# KiCad board jetson-nano-baseboard.kicad_pcb (continued)
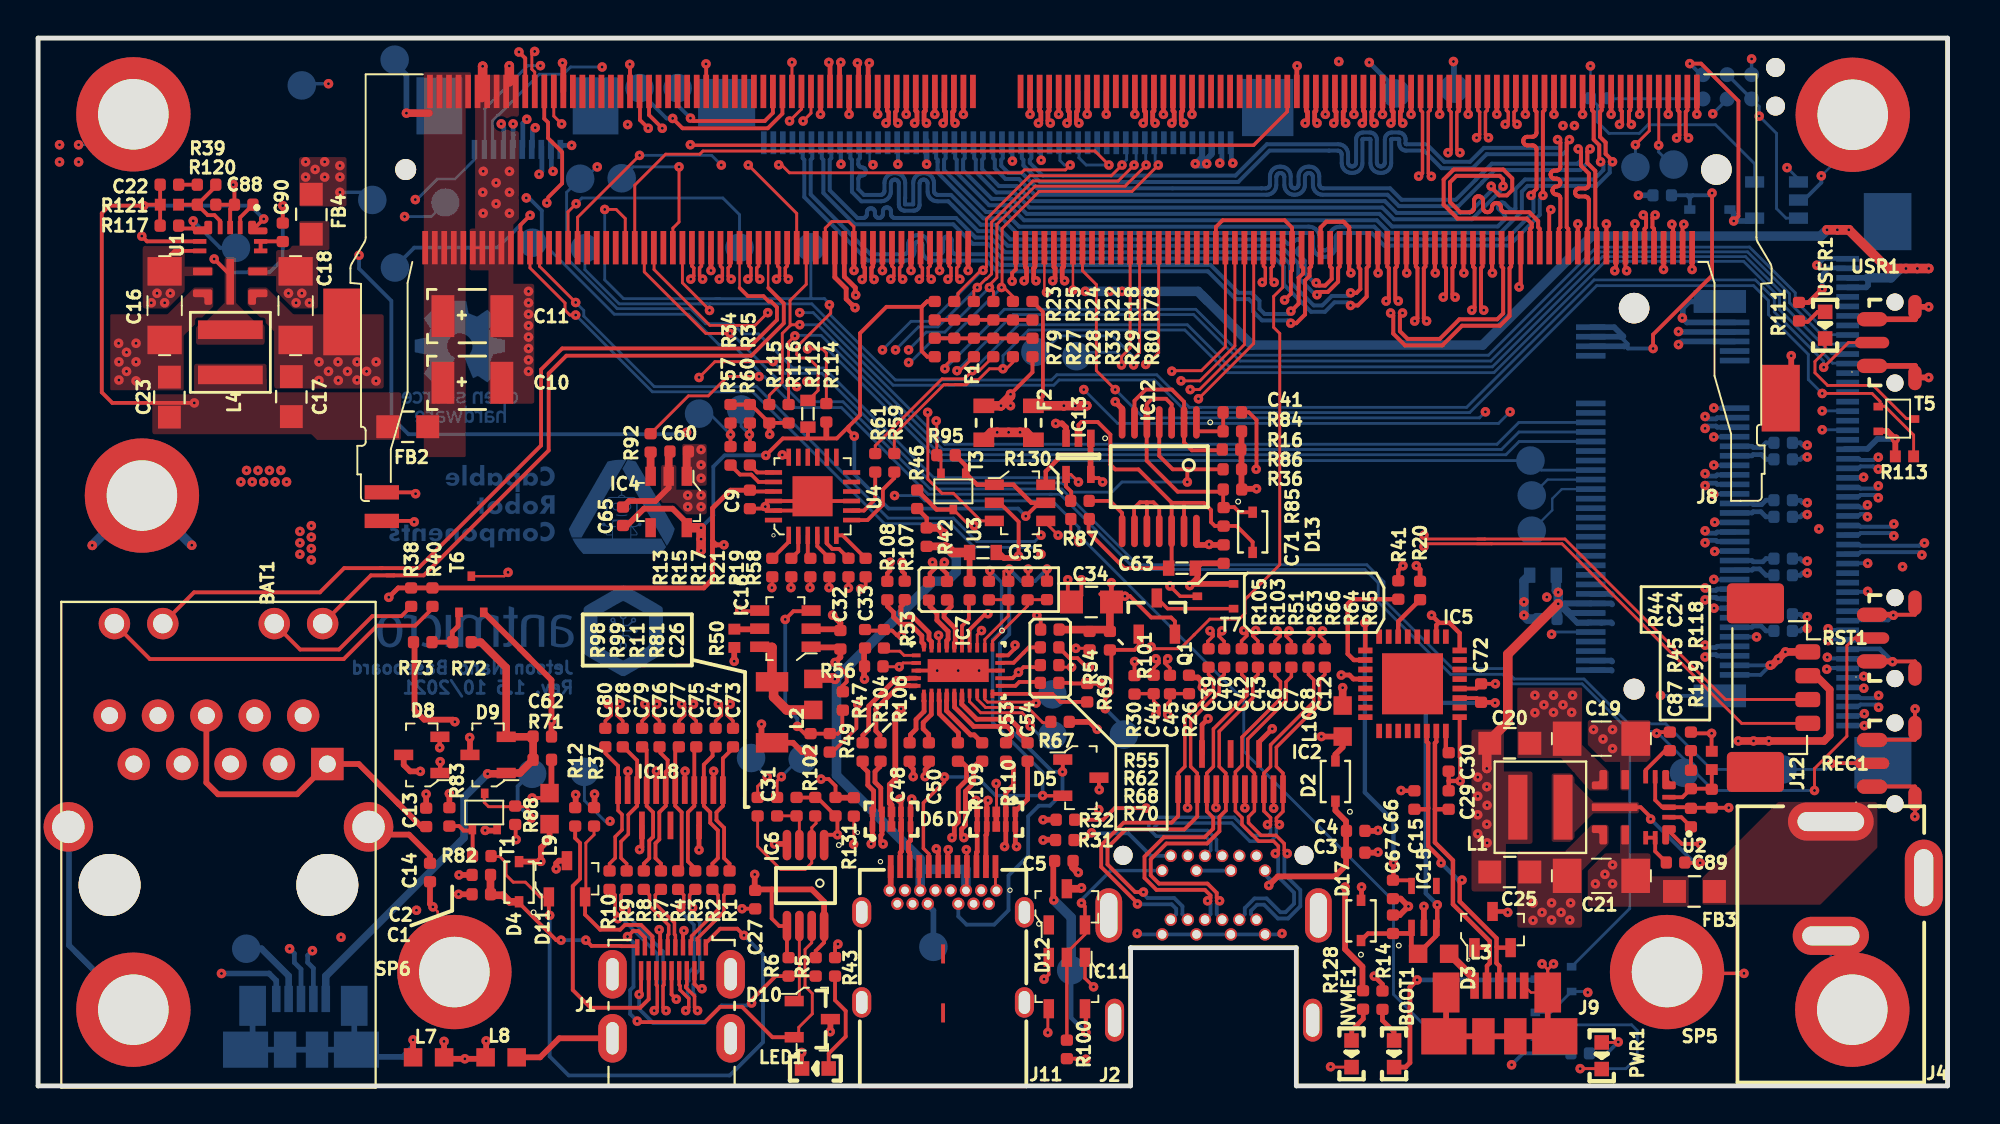
[diagram p0: board, top side]
## Routing (per net, layer and track width the routed paths; a pad name or vN(x,y) marks a point on that pad's centre or on a via; arc(x,y) is an arc through that point) (continued)
  Bottom w0.25: v1(92.86,24.63) 92.62,24.63 92.5,24.75 92.08,24.75
PCIE1_CLK_N: length 28.2
  Top w0.25: M1.173 42.07,53.66 v1(42.13,53.73)
  In5_3V3_SYS_SIGNAL.Cu w0.195: v1(42.13,53.73) 41.98,53.57 41.98,53.1 41.47,52.6 36.84,52.6 36.73,52.61 36.63,52.65 36.53,52.71 36.46,52.78 36.4,52.88 36.36,52.98 36.35,53.09 36.35,53.34 36.35,53.38 36.33,53.42 36.31,53.46 36.28,53.49 36.24,53.51 36.2,53.53 36.16,53.53 36.11,53.53 36.07,53.51 36.04,53.49 36,53.46 35.98,53.42 35.97,53.38 35.96,53.34 35.96,53.09 35.95,52.98 35.91,52.88 35.86,52.78 35.78,52.71 35.69,52.65 35.58,52.61 35.48,52.6 22.8,52.6 22.5,52.3 22.5,51.88 22.84,51.54 24.4,51.54 24.78,51.16 24.78,50.74 ; 24.78,50.65 v1(24.93,50.5)
  Bottom w0.25: 24.94,49.28 24.94,49.92 24.93,49.92 v1(24.93,50.5)
PCIE1_CLK_P: length 28.3
  Top w0.25: M1.175 41.57,53.66 v1(41.51,53.73)
  In5_3V3_SYS_SIGNAL.Cu w0.195: v1(41.51,53.73) 41.66,53.57 41.66,53.24 41.34,52.92 38.02,52.92 36.87,52.92 36.82,52.93 36.78,52.94 36.75,52.96 36.71,52.99 36.69,53.03 36.68,53.07 36.67,53.12 36.67,53.36 36.66,53.47 36.62,53.58 36.57,53.67 36.49,53.74 36.4,53.8 36.29,53.84 36.19,53.85 36.13,53.85 36.02,53.84 35.92,53.8 35.82,53.74 35.75,53.67 35.69,53.58 35.65,53.47 35.64,53.36 35.64,53.12 35.64,53.07 35.62,53.03 35.6,52.99 35.57,52.96 35.53,52.94 35.49,52.93 35.45,52.92 32.36,52.92 26.04,52.92 22.67,52.92 22.18,52.43 22.18,51.75 22.71,51.22 24.27,51.22 24.46,51.02 24.46,50.65 v1(24.31,50.5)
  Bottom w0.25: v1(24.31,50.5) 24.43,50.37 24.43,50.29 24.44,50.28 24.44,49.28
PCIE1_CLKREQ: length 24.5
  Top w0.152: M1.182 39.82,45.8 v1(37.28,48.34)
  In2_SINGAL.Cu w0.15: v1(29.6,53.48) 30.95,52.14 v1(30.95,50.46)
  In5_3V3_SYS_SIGNAL.Cu w0.25: v1(37.28,48.34) 36.73,48.89 32.52,48.89 31.66,49.75
  In5_3V3_SYS_SIGNAL.Cu w0.254: v1(30.95,50.46) 31.66,49.75
  Bottom w0.152: 23.94,49.28 23.86,49.37 23.86,50.69 24.12,50.95 24.16,50.95 26.31,53.1 27.57,53.1 27.95,53.48 v1(29.6,53.48)
PCIE1_RST: length 21.1
  Top w0.152: M1.183 39.57,53.73 v1(39.57,53.73)
  In2_SINGAL.Cu w0.152: v1(39.57,53.73) 35.61,53.73 35.19,54.15 26.86,54.15 26.27,53.56
  Bottom w0.152: v1(26.37,53.55) 25.7,53.55 23.44,51.29 23.44,49.28
PCIE1_RX0_N: length 28.5
  Top w0.25: M1.167 43.57,53.63 v1(43.63,53.7)
  In5_3V3_SYS_SIGNAL.Cu w0.195: v1(27.03,48.01) 26.9,48.14 26.9,48.49 27.45,49.05 27.45,49.85 27.01,50.3 27.01,50.98 27.56,51.53 28.13,51.53 28.17,51.53 28.21,51.51 28.25,51.49 28.28,51.46 28.3,51.42 28.32,51.38 28.32,51.34 28.32,50.86 28.33,50.75 28.37,50.65 28.43,50.55 28.5,50.48 28.6,50.42 28.7,50.38 28.81,50.37 28.87,50.37 28.97,50.38 29.08,50.42 29.17,50.48 29.25,50.55 29.3,50.65 29.34,50.75 29.35,50.86 29.35,51.34 29.36,51.38 29.37,51.42 29.39,51.46 29.43,51.49 29.46,51.51 29.5,51.53 29.55,51.53 30.34,51.53 30.39,51.52 30.43,51.51 30.48,51.48 30.51,51.45 30.54,51.4 30.56,51.36 30.56,51.31 30.56,51.28 30.57,51.23 30.58,51.18 30.61,51.14 30.65,51.1 30.69,51.08 30.74,51.06 30.79,51.06 30.84,51.06 30.88,51.08 30.93,51.1 30.96,51.14 30.99,51.18 31.01,51.23 31.01,51.28 31.01,51.31 31.02,51.36 31.03,51.4 31.06,51.45 31.1,51.48 31.14,51.51 31.19,51.52 31.24,51.53 35.46,51.53 35.5,51.53 35.54,51.51 35.58,51.49 35.61,51.46 35.63,51.42 35.65,51.38 35.65,51.34 35.65,50.89 35.66,50.78 35.7,50.68 35.76,50.58 35.83,50.51 35.93,50.45 36.03,50.41 36.14,50.4 36.2,50.4 36.3,50.41 36.41,50.45 36.5,50.51 36.58,50.58 36.63,50.68 36.67,50.78 36.68,50.89 36.68,51.34 36.69,51.38 36.7,51.42 36.72,51.46 36.75,51.49 36.79,51.51 36.83,51.53 36.88,51.53 42.29,51.53 43.48,52.72 43.48,53.54 v1(43.63,53.7)
  Bottom w0.25: v1(27.03,48.01) 26.94,48.1 26.94,49.28
PCIE1_RX0_P: length 28.5
  Top w0.25: M1.169 43.07,53.63 v1(43.01,53.7)
  In2_SINGAL.Cu w0.185: v1(43.01,53.7) 43.15,53.7 43.16,53.71
  In5_3V3_SYS_SIGNAL.Cu w0.195: v1(43.01,53.7) 43.16,53.54 43.16,52.86 42.15,51.85 36.85,51.85 36.74,51.84 36.64,51.8 36.54,51.74 36.47,51.67 36.41,51.58 36.37,51.47 36.36,51.37 36.36,50.92 36.36,50.87 36.34,50.83 36.32,50.79 36.29,50.76 36.25,50.74 36.21,50.73 36.17,50.72 36.12,50.73 36.08,50.74 36.04,50.76 36.01,50.79 35.99,50.83 35.98,50.87 35.97,50.92 35.97,51.37 35.96,51.47 35.92,51.58 35.87,51.67 35.79,51.74 35.7,51.8 35.59,51.84 35.49,51.85 29.52,51.85 29.41,51.84 29.31,51.8 29.21,51.74 29.14,51.67 29.08,51.58 29.04,51.47 29.03,51.37 29.03,50.89 29.03,50.84 29.01,50.8 28.99,50.76 28.96,50.73 28.92,50.71 28.88,50.7 28.84,50.69 28.79,50.7 28.75,50.71 28.72,50.73 28.68,50.76 28.66,50.8 28.65,50.84 28.64,50.89 28.64,51.37 28.63,51.47 28.59,51.58 28.54,51.67 28.46,51.74 28.37,51.8 28.26,51.84 28.16,51.85 27.43,51.85 26.69,51.11 26.69,50.17 27.13,49.72 27.13,49.18 26.56,48.6 26.56,48.11 v1(26.3,47.85)
  Bottom w0.25: v1(26.3,47.85) 26.44,48 26.44,49.28
PCIE1_TX0_N: length 28.8
  Top w0.25: v1(42.92,41.51) 42.9,41.54 42.9,41.9 42.32,42.48 M1.172
  In5_3V3_SYS_SIGNAL.Cu w0.195: v1(26.09,50.3) 25.59,49.79 25.59,47.89 26.33,47.14 26.39,47.14 27.37,47.14 27.42,47.15 27.46,47.16 27.5,47.19 27.53,47.22 27.55,47.26 27.57,47.3 27.57,47.34 27.57,47.71 27.58,47.75 27.59,47.79 27.62,47.83 27.65,47.86 27.69,47.89 27.73,47.9 27.77,47.91 27.82,47.9 27.86,47.89 27.9,47.86 27.93,47.83 27.95,47.79 27.97,47.75 27.97,47.71 27.97,47.34 27.98,47.3 27.99,47.26 28.02,47.22 28.05,47.19 28.09,47.16 28.13,47.15 28.17,47.14 28.22,47.15 28.26,47.16 28.3,47.19 28.33,47.22 28.35,47.26 28.37,47.3 28.37,47.34 28.37,47.71 28.38,47.75 28.39,47.79 28.42,47.83 28.45,47.86 28.49,47.89 28.53,47.9 28.57,47.91 28.62,47.9 28.66,47.89 28.7,47.86 28.73,47.83 28.75,47.79 28.77,47.75 28.77,47.71 28.77,47.34 28.78,47.3 28.79,47.26 28.82,47.22 28.85,47.19 28.89,47.16 28.93,47.15 28.97,47.14 36.6,47.14 41.78,41.96 42.47,41.96 v1(42.92,41.51)
  Bottom w0.25: 25.94,49.28 25.94,50.14 v1(26.09,50.3)
PCIE1_TX0_P: length 28.8
  Top w0.25: v1(42.88,40.85) 42.72,41.01 42.71,41.01 42.42,41.31 42.42,41.85 41.82,42.45 M1.174
  In5_3V3_SYS_SIGNAL.Cu w0.195: v1(25.65,50.74) 25.65,50.55 25.27,50.16 25.27,47.76 26.2,46.82 26.52,46.82 26.52,46.82 36.47,46.82 41.65,41.64 42.09,41.64 v1(42.88,40.85)
  Bottom w0.25: 25.44,49.28 25.44,50.53 v1(25.65,50.74)
PEX_L0_CLKREQ_N: length 54.2
  Top w0.15: 39.47,39.9 39.06,39.5 39.06,36.93 38.38,36.25 38.38,35.76 ; 39.47,39.9 39.52,39.95 v1(39.98,39.95) ; 39.47,39.9 39.47,41.22 40.32,42.07 40.32,44
  Bottom w0.15: J8.52 77.73,34.32 76.81,33.41 47.48,33.41 40.93,39.95 v1(39.98,39.95)
PEX_L0_RST_N: length 64.2
  Top w0.15: 39.39,35.76 39.39,39.04 v1(39.72,39.37) ; v1(39.44,50.65) 40.07,51.27 40.07,52.2
  In2_SINGAL.Cu w0.15: v1(39.72,39.37) 39.75,39.4 40.38,39.4 40.43,39.44 40.43,40.88 40.18,41.12 40.18,49.83 40.68,50.33 40.68,50.73 40.6,50.81 40.6,50.83 40.31,51.13 39.85,51.13 39.44,50.72 v1(39.44,50.65)
  Bottom w0.15: v1(39.72,39.37) 39.75,39.4 41.1,39.4 47.36,33.13 77.04,33.13 77.74,33.82 J8.50
PWR_EN: length 50.7
  Top w0.15: IC13.4 54.21,32.1 v1(54.61,31.7) ; M1.237 26.07,53.22 25.92,53.37 25.92,54.15 v1(26.06,54.3)
  Top w0.2: IC13.4 53.96,31.46 54.23,31.19 54.23,30.73 54.2,30.71
  In3_SIGNAL.Cu w0.15: v1(29.35,48.24) 29.35,51.4 28.52,52.23 26.37,52.23 25.92,52.68 25.92,54.15 v1(26.06,54.3)
  Bottom w0.15: v1(54.61,31.7) 54.38,31.93 47.01,31.93 41.26,37.68 39.61,37.68 37.82,39.47 37,39.47 36.47,40.01 35.04,40.01 34.25,40.8 30.39,40.8 27.74,43.45 27.74,46.91 TP27.1 28.7,47.62 29.34,48.26
PWR_GOOD: length 106.8
  Top w0.15: 54.2,29.69 54.2,28.98 v1(54.63,28.55)
  Top w0.2: 8.54,45.01 U1.5 8.14,45.01 ; R117.2 7.53,45.01 8.14,45.01 ; 8.14,45.01 v1(8.14,45.41)
  In5_3V3_SYS_SIGNAL.Cu w0.18: v1(8.14,45.41) 9.64,45.41 11.45,43.6 11.85,43.6 ; 11.6,43.6 11.85,43.6 ; 11.85,43.6 v1(16.85,43.6)
  In5_3V3_SYS_SIGNAL.Cu w0.2: 35.84,35.31 34.14,35.31 34.04,35.21 v1(34.04,34.31) ; 35.84,35.31 34.24,35.31 ; 35.84,35.31 40.64,35.31 v1(44.96,30.99)
  Bottom w0.15: v1(44.96,30.99) 46.26,30.99 46.54,30.71 53.24,30.71 54.63,29.32 v1(54.63,28.55) 54.99,28.55 63.29,20.25 63.29,17.56 71.14,9.71 71.14,4.81 73.39,2.56 T4.1
  Bottom w0.2: v1(8.14,45.41) 9.55,43.99 TP40.1 ; v1(16.85,43.6) 16.85,42.9 18.54,41.21 18.54,35.11 19.44,34.21 33.94,34.21 v1(34.04,34.31)
TMDS_HPD: length 63.5
  Top w0.15: M1.96 63.32,38.91 60.96,36.55 v1(60.47,36.55) ; 23.42,15.3 23.42,14.88 23.64,14.66 25.58,14.66 25.88,14.35 v1(25.88,14.05)
  In3_SIGNAL.Cu w0.15: v1(25.88,14.05) 26.57,14.73 38.28,14.73 40.92,17.38 40.92,22.36 45.84,27.29 45.84,29.04 49.25,32.44 56.82,32.44 60.35,35.97 60.35,36.42 v1(60.47,36.55)
  Bottom w0.2: v1(25.88,14.05) 25.17,14.76 25.17,15.72 25.93,16.49
UART1_RX: length 55.6
  Top w0.15: M1.238 25.82,42.94 27.66,41.1 27.66,40.72 27.91,40.46 v1(28.22,40.46)
  Top w0.25: R20.2 72.54,27.11 v1(72.34,27.31)
  In5_3V3_SYS_SIGNAL.Cu w0.15: v1(72.34,27.31) 71.84,26.81 56.94,26.81 56.54,27.21 54.34,27.21 53.64,27.91 v1(52.64,27.91)
  Bottom w0.15: v1(28.22,40.46) 32.24,36.43 37.5,36.43 44.43,29.51 47.91,29.51 49.15,28.27 52.31,28.27 52.31,28.24 v1(52.64,27.91)
UART1_TX: length 54.3
  Top w0.15: v1(28.22,41.12) 26.32,43.02 M1.236
  Top w0.23: R41.2 71.4,27.06 v1(71.64,27.31)
  In5_3V3_SYS_SIGNAL.Cu w0.15: v1(52.64,28.91) 53.14,28.41 53.64,28.41 54.44,27.61 56.64,27.61 57.14,27.11 71.44,27.11 v1(71.64,27.31)
  Bottom w0.15: v1(28.22,41.12) 28.64,40.7 28.64,40.41 32.34,36.71 37.71,36.71 44.61,29.81 48.04,29.81 49.27,28.58 52.31,28.58 v1(52.64,28.91)
USB1_D_N: length 66.5
  Top w0.25: v1(58.63,50.54) 58.51,50.66 58.51,51.12 58.57,51.19 58.57,52.2 ; J11.A7 47.75,12.38 v1(47.77,12.4)
  In2_SINGAL.Cu w0.16: J11.B7 47.1,10.93 44.13,13.9 44.13,25.9 40.84,29.19 40.84,40.65 40.8,40.69 40.8,41.31 40.84,41.35 40.84,45.38 42.71,47.24 42.71,48.97 43.15,49.41 43.15,51.32 43.89,52.06 57.86,52.06 58.46,51.46 58.46,50.71 v1(58.63,50.54)
  In3_SIGNAL.Cu w0.2: J11.B7 47.1,10.97 47.77,11.64 47.77,12.39
USB1_D_P: length 66.1
  Top w0.25: v1(58.01,50.54) 58.13,50.66 58.13,51.12 58.07,51.19 58.07,52.2 ; v1(47.15,12.44) 47.25,12.34 J11.A6
  In2_SINGAL.Cu w0.16: J11.B6 47.9,10.53 44.42,14.02 44.42,26.02 41.13,29.31 41.13,40.76 41.08,40.81 41.08,41.19 41.13,41.24 41.13,45.26 43,47.13 43,48.86 43.43,49.29 43.43,51.2 44.01,51.77 57.74,51.77 58.18,51.34 58.18,50.71 v1(58.01,50.54)
  In2_SINGAL.Cu w0.2: 47.18,12.37 47.14,12.4 47.15,12.41 v1(47.15,12.44)
  In5_3V3_SYS_SIGNAL.Cu w0.175: v1(47.15,12.44) 47.15,11.83 47.9,11.07 J11.B6
USBC_VBUS: length 41.9
  Top w0.15: 42.82,14.16 42.82,12.7 v1(42.81,12.68)
  Top w0.18: J11.B4 48.75,10.31 J11.A9 48.75,12.37 v1(48.72,12.4) ; J11.A4 46.25,10.31 J11.B9
  Top w0.3: 47.6,28.4 v1(47.77,28.22) ; 48.78,28 48.89,27.89 48.89,26.48 48.87,26.51
  Top w0.4: v1(47.77,28.22) 47.67,28.32 R42.2
  Top w0.5: L2.2 40.74,21.41 41.76,21.41 41.83,21.34 ; v1(47.77,28.22) 47.99,28 48.78,28
  In3_SIGNAL.Cu w0.15: J11.B9 46.3,10.96 45.7,11.56 43.55,11.56 42.93,12.18 42.93,12.56 v1(42.81,12.68)
  Bottom w0.5: v1(47.77,28.22) 47.77,28.17 48.2,27.75 48.2,26.98 47.71,26.5 46.99,26.5 41.91,21.41 41.91,16.31 46.3,11.91 46.3,11.37 ; J11.B4 48.7,11.37 46.3,11.37 ; 46.3,11.37 J11.B9
  vias: v1(41.82,21.35)
USBSS_RX6_N: length 30.3
  Top w0.23: 44.57,26.48 44.57,26.91 44.72,27.05 44.72,27.38 ; 45.07,52.2 45.07,51.19 45,51.11 45,50.67 v1(45.13,50.54) ; 45.07,50.57 45.13,50.51
  In2_SINGAL.Cu w0.16: v1(45.13,50.54) 44.96,50.37 44.96,49.69 44.54,49.27 44.54,47.16 43.84,46.47 43.81,46.43 43.8,46.39 43.79,46.35 43.79,46.3 43.8,46.26 43.81,46.22 43.84,46.18 44.02,46.01 44.04,45.97 44.06,45.93 44.07,45.89 44.07,45.85 44.06,45.8 44.04,45.76 44.02,45.73 43.98,45.7 43.94,45.68 43.9,45.67 43.85,45.67 43.81,45.68 43.77,45.7 43.73,45.73 43.56,45.9 43.52,45.93 43.48,45.95 43.44,45.96 43.4,45.96 43.35,45.95 43.31,45.93 43.28,45.9 42.36,44.99 42.36,42.99 42.36,29.06 44.5,26.92 44.71,26.92 44.89,27.1 44.89,27.32 v1(44.72,27.49)
USBSS_RX6_P: length 30.3
  Top w0.23: v1(44.51,50.54) 44.64,50.67 44.64,51.11 44.57,51.19 44.57,52.2 ; 45.49,26.48 45.49,26.88 45.34,27.02 45.34,27.38 ; 44.51,50.51 44.57,50.57
  In2_SINGAL.Cu w0.16: v1(44.51,50.54) 44.68,50.37 44.68,49.81 44.25,49.39 44.25,47.34 42.08,45.16 42.08,28.94 44.38,26.64 44.83,26.64 45.17,26.98 45.17,27.32 v1(45.34,27.49)
USBSS_TX6_N: length 30
  Top w0.23: 46.81,26.48 46.81,26.91 47.08,27.18 47.08,27.39 46.98,27.49 v1(46.95,27.49) ; 43.82,44 43.82,43.01 43.75,42.94 43.75,42.47 v1(43.88,42.33)
  In2_SINGAL.Cu w0.16: v1(46.95,27.49) 47.09,27.34 47.09,26.95 46.89,26.75 46.44,26.75 46.28,26.91 46.28,28.12 45.91,28.48 45.02,28.48 43.71,29.8 43.71,31.97 43.72,32 43.73,32.03 43.75,32.07 43.77,32.09 43.8,32.11 43.84,32.12 43.87,32.13 44.15,32.13 44.18,32.13 44.22,32.14 44.25,32.16 44.27,32.19 44.29,32.22 44.3,32.25 44.31,32.29 44.3,32.32 44.29,32.35 44.27,32.39 44.25,32.41 44.22,32.43 44.18,32.44 44.15,32.45 43.87,32.45 43.84,32.45 43.8,32.46 43.77,32.48 43.75,32.51 43.73,32.54 43.72,32.57 43.71,32.61 43.71,38.19 43.7,38.29 43.67,38.38 43.61,38.47 43.55,38.54 43.46,38.59 43.37,38.62 43.27,38.63 43.1,38.63 43.06,38.64 43.02,38.65 42.99,38.67 42.96,38.7 42.94,38.74 42.92,38.78 42.92,38.82 42.92,38.92 42.92,38.96 42.94,39 42.96,39.03 42.99,39.06 43.02,39.08 43.06,39.09 43.1,39.1 45.07,39.1 45.17,39.11 45.28,39.15 45.37,39.21 45.45,39.28 45.51,39.38 45.54,39.48 45.55,39.59 45.55,39.65 45.54,39.75 45.51,39.86 45.45,39.95 45.37,40.03 45.28,40.09 45.17,40.12 45.07,40.13 43.94,40.13 43.89,40.14 43.84,40.16 43.8,40.18 43.76,40.22 43.73,40.27 43.72,40.31 43.71,40.37 43.72,40.42 43.73,40.47 43.76,40.51 43.8,40.55 43.84,40.58 43.89,40.59 43.94,40.6 45.07,40.6 45.17,40.61 45.28,40.65 45.37,40.71 45.45,40.78 45.51,40.88 45.54,40.98 45.55,41.09 45.55,41.15 45.54,41.25 45.51,41.36 45.45,41.45 45.37,41.53 45.28,41.59 45.17,41.62 45.07,41.63 43.94,41.63 43.89,41.64 43.84,41.66 43.8,41.68 43.76,41.72 43.73,41.77 43.72,41.81 43.71,41.87 43.71,42.16 v1(43.88,42.33)
USBSS_TX6_P: length 30
  Top w0.23: 47.71,26.48 47.71,26.88 47.44,27.15 47.44,27.39 47.53,27.49 v1(47.57,27.49) ; v1(43.26,42.33) 43.39,42.47 43.39,42.94 43.32,43.01 43.32,44
  In2_SINGAL.Cu w0.16: v1(43.26,42.33) 43.43,42.16 43.43,41.84 43.44,41.73 43.47,41.63 43.53,41.53 43.61,41.46 43.7,41.4 43.81,41.36 43.91,41.35 45.04,41.35 45.09,41.34 45.14,41.33 45.18,41.3 45.22,41.26 45.25,41.22 45.26,41.17 45.27,41.12 45.26,41.06 45.25,41.02 45.22,40.97 45.18,40.93 45.14,40.91 45.09,40.89 45.04,40.88 43.91,40.88 43.81,40.87 43.7,40.84 43.61,40.78 43.53,40.7 43.47,40.61 43.44,40.5 43.43,40.4 43.43,40.34 43.44,40.23 43.47,40.13 43.53,40.03 43.61,39.96 43.7,39.9 43.81,39.86 43.91,39.85 45.04,39.85 45.09,39.84 45.14,39.83 45.18,39.8 45.22,39.76 45.25,39.72 45.26,39.67 45.27,39.62 45.26,39.56 45.25,39.52 45.22,39.47 45.18,39.43 45.14,39.41 45.09,39.39 45.04,39.38 43.07,39.38 42.98,39.37 42.88,39.34 42.8,39.29 42.73,39.22 42.68,39.13 42.64,39.04 42.63,38.94 42.63,38.79 42.64,38.69 42.68,38.6 42.73,38.51 42.8,38.45 42.88,38.39 42.98,38.36 43.07,38.35 43.24,38.35 43.28,38.34 43.32,38.33 43.36,38.31 43.39,38.28 43.41,38.25 43.42,38.21 43.43,38.17 43.43,29.68 44.91,28.2 45.74,28.2 45.99,27.95 45.99,26.79 46.32,26.46 47.01,26.46 47.4,26.85 47.4,27.54
USR_BUTTON: length 91.8
  Top w0.15: v1(93.72,37.72) 95.02,39.02 USR1.2 ; v1(41.54,41) 41.6,41 41.6,41 41.6,40.56 39.82,38.79 39.82,38.39 40.01,38.21 40.44,38.21 40.94,37.71 40.94,36.51 40.42,35.98 R112.1 ; v1(29.74,46.01) 30.34,46.01 30.82,45.53 M1.218
  Bottom w0.15: 40.61,41.33 41.27,41.33 41.6,41 ; 40.61,41.33 40.56,41.38 40.56,44 ; 40.61,41.33 35.76,41.33 ; 41.6,41 41.6,41 v1(41.54,41) ; 41.6,41 41.6,40.45 45,37.05 53.2,37.05 53.47,37.33 58.72,37.33 60.43,35.62 61.03,35.62 74.99,35.62 81.67,42.31 90.14,42.31 91.13,41.32 91.13,40.63 93.72,38.04 v1(93.72,37.72) ; 35.58,41.33 35.76,41.33 ; 35.76,41.33 30.72,41.33 29.74,42.31 v1(29.74,46.01)
USR_LED: length 87.4
  Top w0.15: R113.1 98.45,34.17 96.93,35.68 96.68,35.68 96.68,35.93 96.26,36.35 v1(93.65,36.35) ; 33.79,44.03 M1.206 33.82,42.16 35.24,40.73 v1(35.24,40.71)
  Bottom w0.15: 35.29,41.05 35.1,41.05 ; 35.29,41.05 40.61,41.05 44.88,36.78 53.31,36.78 53.59,37.05 58.59,37.05 60.3,35.34 75.14,35.34 81.81,42.01 90.04,42.01 90.83,41.22 90.83,40.49 92.92,38.4 92.92,37.08 v1(93.65,36.35) ; 35.29,41.05 35.24,41.01 v1(35.24,40.71) ; 35.1,41.05 30.5,41.05 28.7,42.85 TP35.1 ; 35.1,41.05 34.66,41.05
VSYNC_CAM1_1: length 31.1
  Top w0.15: v1(54.18,48.34) 53.92,48.08 51.77,48.08 51.61,47.93 39.43,47.93 39.01,48.35 ; M1.228 28.32,45.59 v1(31.57,48.84)
  In2_SINGAL.Cu w0.15: v1(35.86,48.34) 36.64,48.34 37.09,47.89 38.41,47.89 v1(38.87,48.35)
  Bottom w0.15: v1(35.86,48.34) 35.35,48.84 v1(31.57,48.84) ; v1(54.18,48.34) 53.87,48.34 53.63,48.57 53.63,49.42
VSYNC_CAM1_2: length 31.7
  Top w0.15: v1(56.21,48.34) 55.47,49.07 34.9,49.07 34.73,48.91 32.94,48.91 31.32,47.28 M1.216
  Bottom w0.15: 54.63,49.42 54.63,48.72 54.63,48.72 55.01,48.34 v1(56.21,48.34)
VSYNC_CAM2_1: length 52.9
  Top w0.15: M1.114 58.82,38.48 58.19,37.85 58.16,37.87 v1(58.14,37.87)
  In2_SINGAL.Cu w0.125: 55.57,37.54 55.57,37.55 56.41,38.39 57.62,38.39 v1(58.14,37.87)
  In2_SINGAL.Cu w0.15: v1(93.65,34.44) 91.87,36.22 78.1,36.22 v1(77.26,35.38) ; v1(54.89,36.55) 54.89,36.86 55.57,37.54
  Bottom w0.15: v1(54.89,36.55) 56.66,34.77 76.65,34.77 v1(77.26,35.38) ; 94.84,34.44 94.84,34.44 v1(93.65,34.44)
VSYNC_CAM2_2: length 48.2
  Top w0.15: v1(56.54,36.55) 55.55,37.54 55.55,42.06 54.82,42.79 M1.130
  In2_SINGAL.Cu w0.15: v1(75.97,35.38) 77.14,36.55 92.53,36.55 v1(93.65,35.43)
  Bottom w0.15: 94.84,35.44 94.84,35.43 v1(93.65,35.43) ; v1(75.97,35.38) 75.65,35.07 58.02,35.07 56.54,36.55 v1(56.54,36.55)
Net-(BOOT1-PadA): length 1.9
  Top w0.25: 70.57,4.02 70.57,3.44 71.17,2.84 71.17,2.39 BOOT1.A
Net-(BOOT1-PadK): length 11.5
  Top w0.25: BOOT1.K 71.77,0.99 72.01,1.22 72.01,5.18 v1(72.39,5.56)
  Bottom w0.25: v1(72.39,5.56) 78.43,5.56
Net-(C1-Pad2): length 9.9
  Top w0.2: v1(28.75,7.65) 29.05,7.35 30.6,7.35 30.61,7.34 31.39,7.34 J1.19 ; v1(27.45,7.65) 27.2,7.65 25.24,9.61 D4.C
  Top w0.4: D4.C 24.75,9.66 24.41,10.01 23.79,10.01 23.74,10.06 23.74,11.07
  Bottom w0.2: v1(28.75,7.65) v1(27.45,7.65)
Net-(C3-Pad2): length 9
  Top w0.3: D2.C 68.09,14.45 68.65,13.89 68.65,11.58 68.07,11 65.07,11 v1(64.6,10.52)
  Bottom w0.22: v1(64.6,10.52) 64.65,10.58 64.65,10.84 64.4,11.09 J2.20
Net-(C13-Pad1): length 18.6
  Top w0.3: 18.93,14.8 20.11,13.62 20.37,13.62 ; 18.93,14.8 18.79,14.94 ; 18.93,14.8 16.83,16.9 J3.1 13.59,15.31 9.44,15.31 8.83,15.92 J3.6
  In5_3V3_SYS_SIGNAL.Cu w0.125: 15.22,16.49 15.22,17.61
Net-(C22-Pad2): length 1
  Top w0.2: C22.2 R39.1
Net-(C24-Pad2): length 1
  Top w0.2: C24.2 R45.1
Net-(C30-Pad2): length 1.2
  Top w0.23: C30.2 73.89,17.64 73.89,18.63
Net-(C31-Pad2): length 5.4
  Top w0.5: L2.1 39.29,19.73 38.61,20.42 38.61,21.13 C31.2 38.52,23.02 38.12,23.02
Net-(C62-Pad2): length 26.7
  Top w0.4: v1(23.59,16.38) 24.53,16.38 D9.1 25.29,16.42 25.98,17.12 25.98,18.34 25.97,18.32 D9.2 24.57,21.96 23.24,23.29 22.73,23.29
  Bottom w0.4: v1(23.59,16.38) 22.36,15.14 22.36,13.02 15.1,5.76 J5.1
Net-(IC4-Pad3): length 1.3
  Top w0.406: R92.1 IC4.3
Net-(IC5-Pad2): length 6.4
  Top w0.23: R41.1 68.98,25.55 68.74,25.31 68.74,22.68 69.06,22.36 IC5.2
Net-(IC5-Pad30): length 2.4
  Top w0.23: IC5.30 71.39,24.37 R20.1
Net-(IC6-Pad2): length 7.7
  Top w0.15: 37.77,14.18 37.77,12.57 38.99,11.35 40.26,11.35 40.61,11.7 IC6.2 40.61,12.65 40.61,13.56 40.83,13.79 40.83,14.18
Net-(IC6-Pad3): length 2.6
  Top w0.15: 39.96,12.64 39.96,14.03 39.81,14.18 38.79,14.18
Net-(IC7-Pad3): length 7.2
  Top w0.15: v1(54.47,22.97) 55.25,22.97 55.27,22.98 ; v1(49.52,23.9) 49.29,23.68 IC7.3
  In2_SINGAL.Cu w0.15: v1(54.47,22.97) 53.51,23.93 49.54,23.93 v1(49.52,23.9)
Net-(IC7-Pad4): length 5.9
  Top w0.2: v1(52.43,24.7) 52.63,24.5 52.63,23.81 ; v1(49.85,24.78) 49.73,24.78 48.89,23.95 IC7.4
  In2_SINGAL.Cu w0.2: 52.34,24.62 52.17,24.78 v1(49.85,24.78) ; v1(52.43,24.7) 52.36,24.63 52.36,24.6
Net-(IC7-Pad5): length 2.7
  Top w0.2: IC7.5 48.49,24.14 48.86,24.5 48.86,25.48 48.89,25.52
Net-(IC7-Pad11): length 1.7
  Top w0.15: IC7.11 45.45,22.6 45.23,22.82 44.56,22.82 44.47,22.9
Net-(IC7-Pad29): length 2.5
  Top w0.2: 52.61,23.02 52.01,23.02 51.73,22.74 51.73,22.74 51.2,22.21 50.5,22.21 IC7.29
Net-(IC12-Pad2): length 8.6
  Top w0.2: IC12.6 57.55,35.96 58.14,36.55 59.51,36.55 60.15,35.91 IC12.2 60.15,33.78 60.56,33.36 62.2,33.36
Net-(IC12-Pad8): length 2.9
  Top w0.2: IC12.8 56.9,30.07 56.26,30.71 55.16,30.71
Net-(IC12-Pad10): length 5.5
  Top w0.2: IC12.11 58.85,30.33 58.54,30.63 58.19,30.63 ; IC12.9 57.53,29.15 57.53,30.33 57.83,30.63 58.19,30.63 ; IC12.10 58.2,30.62 58.19,30.63
Net-(IC16-Pad3): length 10.7
  Top w0.2: 42.21,19.64 42.21,18.72 41.98,18.49 40.23,18.49 v1(39.85,18.87) ; 40.32,24.92 39.65,24.92 v1(39.21,24.49)
  Bottom w0.2: v1(39.21,24.49) 39.21,19.91 39.85,19.28 v1(39.85,18.87)
Net-(IC16-Pad4): length 26.7
  Top w0.2: LED1.K 40.1,1.59 40.08,1.62 v1(40.08,1.75) ; 38.12,24.92 36.88,24.92 v1(36.83,24.97)
  In2_SINGAL.Cu w0.2: v1(40.08,1.75) 40.08,9.93 37.18,12.83 37.18,24.61 v1(36.83,24.97)
Net-(IC16-Pad5): length 1.6
  Top w0.3: 36.54,23.97 38.12,23.97 38.12,23.97
Net-(J1-Pad16): length 21.7
  Top w0.15: 28.19,13 28.19,13.64 ; 28.06,9.74 28.06,5.04 ; 28.06,9.74 28.06,10.49 ; 28.06,9.74 28.06,9.09
  Top w0.2: R12.2 28.19,13 28.45,12.75 28.45,10.87 28.06,10.49 28.06,5.04 29,4.1 31.6,4.1 32.05,4.55 J1.16
Net-(J3-Pad12): length 8.7
  Top w0.2: R38.1 19.07,24.66 17.54,24.66 15.79,22.91 13.76,22.91 J3.12
Net-(J3-Pad14): length 18.7
  Top w0.2: R40.2 20.7,25.06 19.79,24.16 17.79,24.16 16.04,22.41 5.87,22.41 J3.14
Net-(J5-Pad4): length 4
  Bottom w0.35: J5.4 13.15,5.78 11.73,7.2 TP22.1
Net-(J8-Pad10): length 35.5
  Top w0.15: v1(67.84,1.01) 67.86,0.99 NVME1.K
  Top w0.25: NVME1.K 68.96,0.97
  In3_SIGNAL.Cu w0.15: v1(79.44,23.71) 71.34,23.71 69.9,22.27 69.9,8.97 68.04,7.11 68.04,1.21 v1(67.84,1.01)
  Bottom w0.15: J8.10 79.56,23.82 v1(79.44,23.71)
Net-(J8-Pad40): length 4.4
  Bottom w0.125: J8.40 79.98,31.32 79.48,30.82 79.48,30.22 TP20.1
Net-(J8-Pad42): length 3.4
  Bottom w0.125: TP7.1 79.23,31.82 J8.42
Net-(J9-Pad1): length 2.2
  Top w0.4: J9.1 75.4,5.6 L3.1
Net-(J11-PadB8): length 2.3
  Bottom w0.3: 46.69,9.5 46.99,9.2 TP19.1
Net-(LED1-PadA): length 5.5
  Top w0.2: LED1.A 41.5,1.7 42.39,2.59 42.39,3.94 41.83,4.5 41.83,5.77
Net-(M1-Pad9): length 4.3
  Top w0.15: v1(85.06,49.38) 85.07,49.38 M1.9
  Bottom w0.15: 85.85,48.24 85.06,49.02 v1(85.06,49.38)
Net-(M1-Pad11): length 4.3
  Top w0.15: M1.11 84.57,50.13 v1(83.84,49.4)
  Bottom w0.15: TP4.1 v1(83.84,49.4)
Net-(M1-Pad118): length 12.6
  Top w0.15: v1(57.5,37.85) 57.5,38.18 57.82,38.49 M1.118
  Bottom w0.15: v1(57.5,37.85) 57.5,38.25 56.39,39.37 53.59,39.37 52.53,38.3
Net-(M1-Pad120): length 9.3
  Top w0.15: v1(56.87,37.85) 56.87,38.28 57.32,38.73 M1.120
  Bottom w0.15: TP6.1 54.71,38.51 56.64,38.51 56.87,38.28 v1(56.87,37.85)
Net-(NVME1-PadA): length 1.9
  Top w0.25: 69.56,4.1 69.56,3.52 68.95,2.92 68.95,2.47 ; 68.93,2.39 NVME1.A
Net-(PWR1-PadA): length 2.6
  Top w0.15: PWR1.A 82.92,2.28 v1(82.94,2.31)
  Bottom w0.2: 81.43,1.71 82.34,1.71 v1(82.94,2.31)
Net-(PWR1-PadK): length 9.4
  Top w0.15: PWR1.K 82.05,0.91 v1(80.94,0.91)
  Top w0.25: 82.04,0.91 PWR1.K
  Bottom w0.15: T4.3 83.64,3.21 83.94,2.91 83.94,1.51 83.34,0.91 v1(80.94,0.91)
Net-(Q1-Pad3): length 4.3
  Top w0.18: Q1.3 59.29,25.05 T7.1
  Top w0.2: Q1.3 58.72,25.68
Net-(R13-Pad2): length 1.7
  Top w0.2: R13.2 39.4,28.56 U4.1
  Top w0.25: 38.54,27.69 38.54,27.86
Net-(R15-Pad2): length 1.4
  Top w0.2: R15.2 39.9,28.06 U4.2
  Top w0.25: 39.53,27.69 39.54,27.69
Net-(R17-Pad2): length 1.3
  Top w0.2: R17.2 40.4,27.83 U4.3
  Top w0.25: 40.54,27.69 40.59,27.74
Net-(R18-Pad1): length 5.1
  Top w0.2: 52.19,40.21 47.06,40.21
Net-(R19-Pad2): length 2.1
  Top w0.2: U4.5 41.4,28.47 41.68,28.19 42.04,28.19 R19.2
  Top w0.25: 42.54,27.69 42.54,27.88
Net-(R21-Pad2): length 1.5
  Top w0.2: R21.2 40.9,28.33 U4.4
Net-(R27-Pad1): length 5.1
  Top w0.2: 52.19,39.24 47.06,39.24
Net-(R49-Pad1): length 26
  Top w0.18: v1(59.41,26.24) 59.95,25.7 T7.3 ; R49.1 41.7,17.52 42.95,18.77
  Top w0.2: 42.95,18.77 42.95,19.89 43.07,20.01
  In3_SIGNAL.Cu w0.15: 42.87,20.28 42.87,20.19 v1(43.02,20.04)
  In3_SIGNAL.Cu w0.2: v1(59.41,26.24) 58.19,25.02 54.84,25.02 54.45,25.4 45.41,25.4 42.87,22.86 42.87,20.28
Net-(R57-Pad1): length 2.6
  Top w0.2: U4.20 37.82,31.7 37.43,32.09 36.84,32.09 R57.1
Net-(R58-Pad2): length 2.1
  Top w0.2: U4.6 42.23,28.9 R58.2
  Top w0.25: 43.44,27.69 43.44,27.74
Net-(R59-Pad2): length 3.9
  Top w0.2: R59.2 44.94,31.91 44.34,31.31 44.34,30.51 43.54,29.7 U4.7
Net-(R60-Pad1): length 1.6
  Top w0.15: 37.36,32.59 37.49,32.46
  Top w0.2: U4.19 37.75,32.2 R60.1
Net-(R61-Pad2): length 2.9
  Top w0.2: U4.8 43.35,30.2 43.94,30.79 R61.2
